# Altium PCB CPU-board-multi-Ethernnet.PcbDoc (part 1 of 3) (continued)
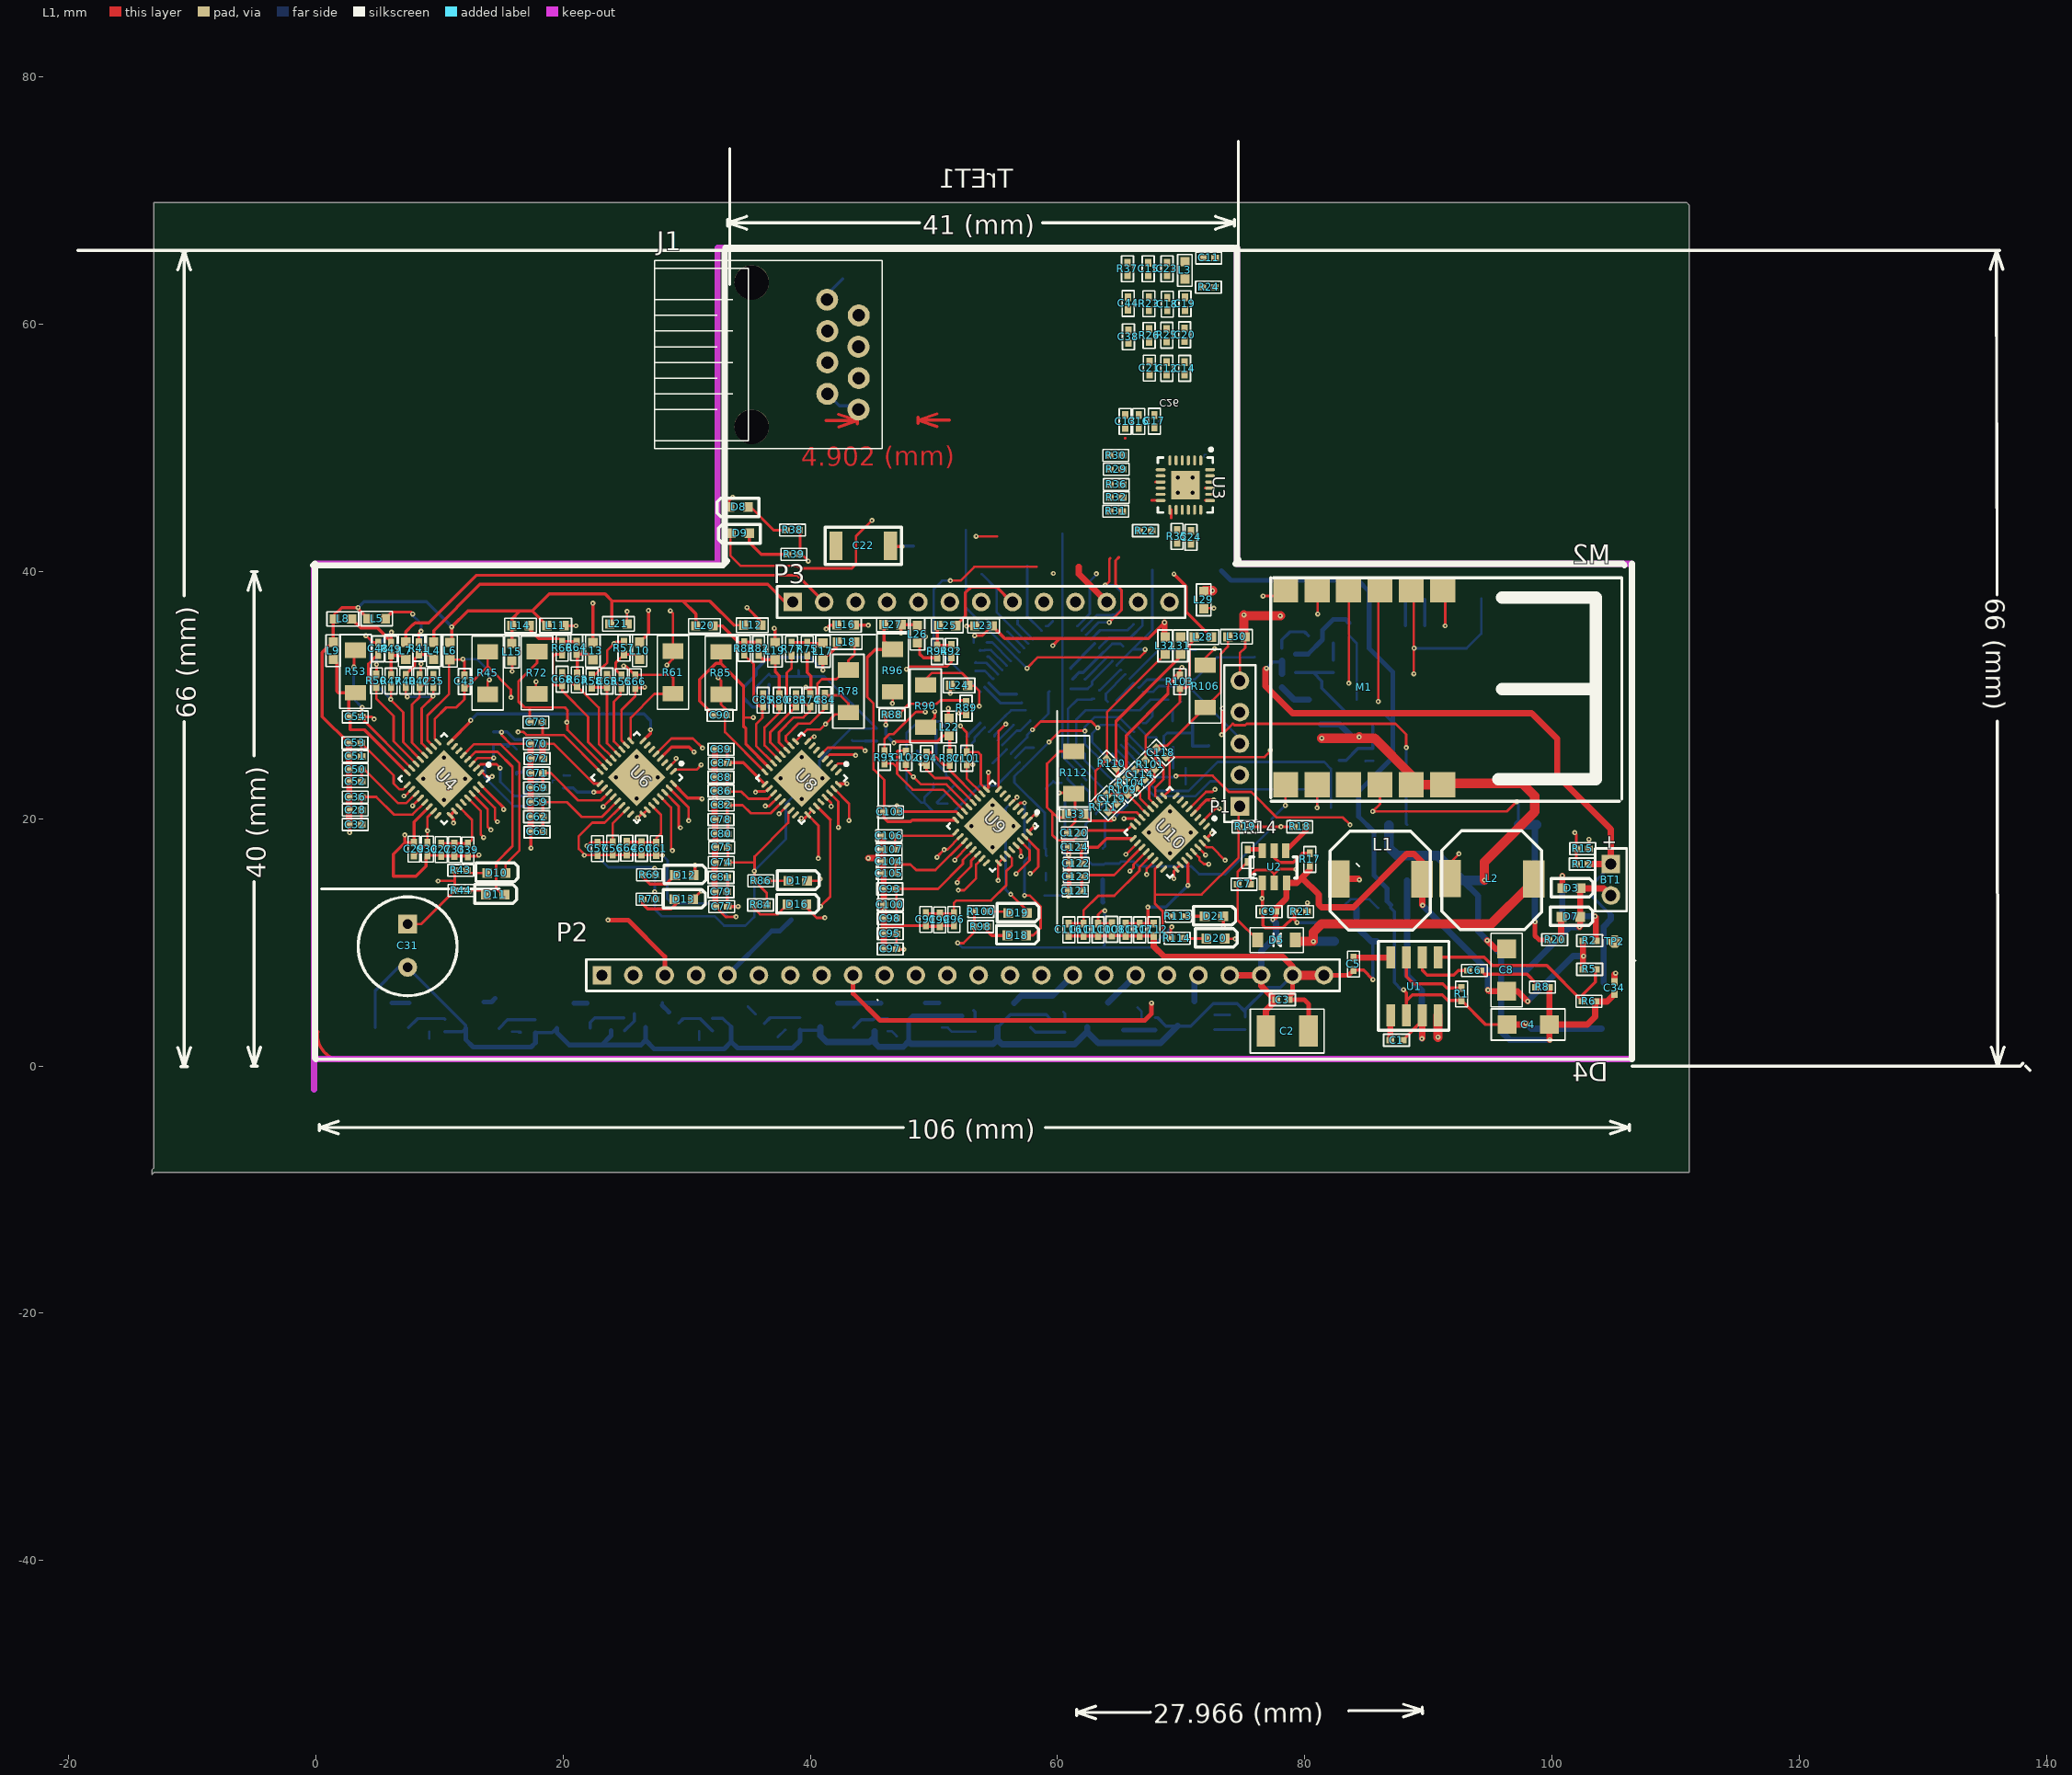
[diagram p0: L1 view]
## Components (designator, comment, footprint, x,y, rotation, side; value= is the part's Value field where it differs from the comment) (continued)
L29 "FeILB" 0603C-TBD#2 71.831,38.405 r270 top
L30 "FeILB" 0603C-TBD#2 75.184,34.722 r180 top
L31 "FeILB" 0603C-TBD#2 69.952,34.696 r270 top
L32 "FeILB" 0603C-TBD#2 68.707,34.696 r270 top
L33 "FeILB" 0603C-TBD#2 62.128,20.371 r180 top
M1 "MRF24J40MA" "MRF24J40MA-zigBEE module" 78.461,38.506 r270 top
M2 "ESP 8266" ESP8266WROOm-02 85.883,19.521 r90 bottom (schematic designator M1)
P1 "Header 5" HDR1X5 74.752,21.006 r90 top
P2 "Header 24" HDR1X24 23.139,7.341 r0 top
P3 "Header 13" HDR1X13 38.583,37.541 r0 top
Q1 "MMBT3906" SOT23-BCE 82.296,36.119 r180 bottom (schematic designator Q4)
Q2 "MMBT2222" MMBT2222 85.522,27.635 r180 bottom
Q3 "MMBT2222" MMBT2222 7.493,3.099 r180 bottom
Q4 "MMBT2222" MMBT2222 14.808,3.048 r180 bottom
Q5 "MMBT2222" MMBT2222 22.178,3.055 r180 bottom
Q6 "MMBT2222" MMBT2222 29.366,3.131 r180 bottom
Q7 "MMBT2222" MMBT2222 36.297,3.175 r180 bottom
Q8 "MMBT2222" MMBT2222 43.51,3.124 r180 bottom
Q9 "MMBT2222" MMBT2222 50.651,3.105 r180 bottom
Q10 "MMBT2222" MMBT2222 57.84,3.105 r180 bottom
Q11 "MMBT2222" MMBT2222 65.104,3.131 r180 bottom
Q12 "MMBT2222" MMBT2222 72.419,3.232 r180 bottom
R1 "100K" 0402R-TBD 92.685,6.325 r270 top
R2 "150R" 0402R-TBD 102.54,10.135 r0 top
R3 "100K" 0402R-TBD 85.954,12.776 r0 bottom
R4 "47R" 0402R-TBD 82.296,32.842 r270 bottom
R5 "52.3K" 0402R-TBD 102.54,7.823 r0 top
R6 "10K" 0402R-TBD 103.505,5.232 r180 top
R7 "27K" 0402R-TBD 84.201,12.776 r180 bottom
R8 "10K" 0402R-TBD 99.746,6.375 r180 top
R9 "1K" 0402R-TBD 83.591,34.823 r90 bottom
R10 "10R" 0402R-TBD 78.156,32.791 r90 bottom
R11 "10R" 0402R-TBD 78.156,30.709 r90 bottom
R12 "57.6K" 0402R-TBD 101.956,16.332 r0 top
R13 "10K" 0402R-TBD 85.522,25.705 r270 bottom
R14 "0/125W" 0402C-GENERIC 75.387,16.51 r90 top
R15 "27K" 0402R-TBD 102.997,17.577 r180 top
R16 "Comment" 0402C-GENERIC 82.804,24.74 r90 bottom
R17 "10K" 0402R-TBD 80.416,17.221 r270 top
R18 "75K/1%/.125W" 0402C-TBD 79.096,19.355 r0 top
R19 "40.2K/1%/.125W" 0402R-TBD 74.651,19.355 r0 top
R20 "47" 0402R-TBD 99.72,10.211 r0 top
R21 "13K" 0402R-TBD 79.172,12.497 r0 top
R22 "1.5K" 0402R-TBD 67.615,43.307 r180 top
R23 "49.9" 0402R-TBD 67.386,61.163 r90 top
R24 "49.9" 0402R-TBD 72.72,63.017 r180 top
R25 "49.9" 0402R-TBD 68.834,59.639 r270 top
R26 "49.9" 0402R-TBD 67.412,58.598 r90 top
R27 "75/1%/.125W" 0402R-TBD 45.339,58.268 r0 bottom
R28 "75/1%/.125W" 0402R-TBD 46.66,62.027 r180 bottom
R29 "100" 0402R-TBD 65.253,48.285 r180 top
R30 "100" 0402R-TBD 65.227,49.403 r180 top
R31 "100" 0402R-TBD 65.227,44.882 r180 top
R32 "100" 0402R-TBD 65.253,45.999 r180 top
R33 "75/1%/.125W" 0402R-TBD 45.466,55.601 r0 bottom
R34 "75/1%/.125W" 0402R-TBD 45.39,53.086 r0 bottom
R35 "33" 0402R-TBD 69.672,42.342 r90 top
R36 "4.7k" 0402R-TBD 64.237,47.041 r0 top
R37 "12.1k" 0402R-TBD 65.659,64.999 r270 top
R38 "47" 0402R-TBD 38.049,43.358 r0 top
R39 "47" 0402R-TBD 38.151,41.402 r0 top
R40 "220R" 0402R-TBD 7.264,30.632 r90 top
R41 "18.7" 0402R-TBD 8.331,34.29 r270 top
R42 "220R" 0402R-TBD 8.382,30.632 r90 top
R43 "220" 0402C-TBD 12.217,15.824 r180 top
R44 "220" 0402C-TBD 12.243,14.199 r180 top
R45 "470/1%/.250W" 1206FB-GENERIC 13.894,33.503 r270 top
R46 "1M" 0402R-TBD 47.777,23.749 r90 bottom
R47 "220R" 0402R-TBD 6.071,30.632 r90 top
R48 "470" 0402R-TBD 9.22,2.819 r90 bottom
R49 "18.7" 0402R-TBD 6.071,34.239 r270 top
R50 "220R" 0402R-TBD 4.877,30.658 r90 top
R51 "2K" 0402R-TBD 10.414,2.769 r90 bottom
R52 "1M" 0402C-GENERIC 17.018,21.844 r0 bottom
R53 "470/1%/.250W" 1206FB-GENERIC 3.2,33.63 r270 top
R54 "470" 0402R-TBD 16.561,2.718 r90 bottom
R55 "220R" 0402R-TBD 24.714,30.582 r90 top
R56 "2K" 0402R-TBD 17.755,2.692 r90 bottom
R57 "18.7" 0402R-TBD 24.917,34.315 r270 top
R58 "220R" 0402R-TBD 22.327,30.607 r90 top
R59 "10k" 0402R-TBD 36.576,30.302 r180 bottom
R60 "470" 0402R-TBD 24.943,2.845 r90 bottom
R61 "470/1%/.250W" 1206FB-GENERIC 28.88,30.124 r90 top
R62 "2K" 0402R-TBD 23.876,2.87 r90 bottom
R63 "220R" 0402R-TBD 21.133,30.734 r90 top
R64 "18.7" 0402R-TBD 21.082,34.341 r270 top
R65 "470" 0402R-TBD 31.013,2.819 r90 bottom
R66 "220R" 0402R-TBD 19.914,33.299 r90 top
R67 "220" 0402C-TBD 69.342,24.105 r0 bottom
R68 "220" 0402C-TBD 69.977,29.642 r180 bottom
R69 "220" 0402C-TBD 27.483,15.469 r180 top
R70 "220" 0402C-TBD 27.457,13.487 r180 top
R71 "2K" 0402R-TBD 32.08,3.861 r270 bottom
R72 "470/1%/.250W" 1206FB-GENERIC 17.882,33.528 r270 top
R73 "470" 0402R-TBD 37.973,2.921 r90 bottom
R74 "220R" 0402R-TBD 39.98,29.083 r90 top
R75 "18.7" 0402R-TBD 39.751,34.239 r270 top
R76 "2K" 0402R-TBD 39.167,2.896 r90 bottom
R77 "220R" 0402R-TBD 38.481,33.223 r90 top
R78 "470/1%/.250W" 1206FB-GENERIC 43.078,28.6 r90 top
R79 "470" 0402R-TBD 46.253,2.819 r90 bottom
R80 "220R" 0402R-TBD 37.49,29.083 r90 top
R81 "2K" 0402R-TBD 45.187,2.819 r90 bottom
R82 "18.7" 0402R-TBD 35.814,34.265 r270 top
R83 "220R" 0402R-TBD 34.646,33.274 r90 top
R84 "220" 0402C-TBD 35.458,13.03 r0 top
R85 "470/1%/.250W" 1206FB-GENERIC 32.766,33.503 r270 top
R86 "220" 0402C-TBD 36.5,14.986 r180 top
R87 "220R" 0402R-TBD 51.283,24.359 r90 top
R88 "18.7" 0402R-TBD 47.117,28.423 r180 top
R89 "220R" 0402R-TBD 52.603,28.448 r90 top
R90 "470/1%/.250W" 1206FB-GENERIC 49.327,27.407 r90 top
R91 "470" 0402R-TBD 53.34,3.785 r270 bottom
R92 "220R" 0402R-TBD 51.41,33.045 r90 top
R93 "2K" 0402R-TBD 52.248,3.785 r270 bottom
R94 "18.7" 0402R-TBD 50.267,33.02 r90 top
R95 "220R" 0402R-TBD 45.999,24.46 r90 top
R96 "470/1%/.250W" 1206FB-GENERIC 46.66,30.277 r90 top
R97 "470" 0402R-TBD 60.604,3.785 r270 bottom
R98 "220R" 0402C-TBD 54.28,11.278 r180 top
R99 "2K" 0402R-TBD 59.436,3.785 r270 bottom
R100 "220R" 0402C-TBD 54.305,12.497 r180 top
R101 "220R" 0402R-TBD 67.843,24.028 r135 top
R102 "470" 0402R-TBD 66.802,3.912 r270 bottom
R103 "18.7" 0402R-TBD 69.901,31.598 r270 top
R104 "220R" 0402R-TBD 66.301,22.548 r135 top
R105 "2K" 0402R-TBD 67.894,3.912 r270 bottom
R106 "470/1%/.250W" 1206FB-GENERIC 71.958,32.436 r270 top
R107 "470" 0402R-TBD 74.117,3.962 r270 bottom
R108 "2K" 0402R-TBD 75.184,3.962 r270 bottom
R109 "220R" 0402R-TBD 65.641,21.989 r135 top
R110 "18.7" 0402R-TBD 64.001,24.823 r315 top
R111 "220R" 0402R-TBD 64.059,20.574 r135 top
R112 "470/1%/.250W" 1206FB-GENERIC 61.316,22.022 r90 top
R113 "220R" 0402C-TBD 70.282,12.116 r180 top
R114 "220 R" 0402C-TBD 70.18,10.338 r180 top
TP2 "TESTPOINT" TESTPOINT 105.004,8.534 r0 top (schematic designator TP8)
TrET1 "HX1224NL" HX1224-NL 62.611,64.16 r270 bottom
U1 "MP2403" MP2403 86.97,4.089 r0 top
U2 "MP1470" MP1470 76.571,14.808 r0 top
U3 "LAN8720" QFN24_4X4_N 70.338,46.997 r270 top
U4 "STPM34" 32M1-A_L 10.363,23.241 r225 top
U5 "PIC32MX795" TQFP-PT64_N 60.325,29.007 r225 bottom
U6 "STPM34" 32M1-A_L 25.959,23.343 r225 top
U7 "23LCV1024" SO8_L 61.405,15.672 r180 bottom
U8 "STPM34" 32M1-A_L 39.294,23.292 r225 top
U9 "STPM34" 32M1-A_L 54.737,19.406 r225 top
U10 "STPM34" 32M1-A_L 69.088,18.898 r225 top
Y1 "Comment" CeramicResonator8-16MHZ#1 71.145,49.962 r180 bottom
Y2 "Comment" CeramicResonator8-16MHZ#2 51.662,25.044 r270 bottom
Y3 "Comment" CeramicResonator8-16MHZ#3 18.429,23.622 r180 bottom

## Footprints (in the part's own frame and the unit in brackets; to place one, negate y for a bottom-side part, rotate by r counter-clockwise, add the part's x,y. Pads: shape width x height; smd on the part's side, far side on the other; paste and mask are expansions set on the pad)
32M1-A_L [mm] "32-Pin Quad Flat No-Lead 0.5 mm Pitch, IPC High Density"
  oval 0.7x0.25 smd: 1(-2.45,1.75) 2(-2.45,1.25) 3(-2.45,0.75) 4(-2.45,0.25) 5(-2.45,-0.25) 6(-2.45,-0.75) 7(-2.45,-1.25) 8(-2.45,-1.75) 17(2.45,-1.75) 18(2.45,-1.25) 19(2.45,-0.75) 20(2.45,-0.25) 21(2.45,0.25) 22(2.45,0.75) 23(2.45,1.25) 24(2.45,1.75)
  oval 0.25x0.7 smd: 9(-1.75,-2.45) 10(-1.25,-2.45) 11(-0.75,-2.45) 12(-0.25,-2.45) 13(0.25,-2.45) 14(0.75,-2.45) 15(1.25,-2.45) 16(1.75,-2.45) 25(1.75,2.45) 26(1.25,2.45) 27(0.75,2.45) 28(0.25,2.45) 29(-0.25,2.45) 30(-0.75,2.45) 31(-1.25,2.45) 32(-1.75,2.45)
  rect 3.3x3.3 smd: 33(0,0)
  silkscreen extent -3.47,-2.6 2.6,2.6, body extent -2.58,-2.58 2.58,2.58, height 1
0402 [mm] "Chip Capacitor, Body 1.0x0.5mm, IPC High Density"
  rect 0.6x0.5 smd: 1(-0.5,0) 2(0.5,0)
  body extent -0.55,-0.3 0.55,0.3, height 1.3
0402C-GENERIC [mil]
  rect 25x20 smd: 1(0,0) 2(40,0)
  silkscreen extent -21,-19 61,19
0402C-TBD [mil]
  rect 25x20 smd: 1(0,0) 2(40,0)
  silkscreen extent -21,-19 61,19, body extent 2,-9 39,9, height 19
0402R-TBD [mil]
  rect 25x20 smd: 1(0,0) 2(40,0)
  silkscreen extent -21,-19 61,19, body extent -6,-10 46,10, height 14
470uF/6.3v [mil]
  rect 60x60 hole 30: 1(0,0)
  round 60 hole 30: 2(137.8,0)
  silkscreen extent -87,-157 228,157
0603C-2U2 [mil] "CAPACITOR 0603"
  rect 30x30 smd: 1(0,0) 2(55,0)
  silkscreen extent -23,-23 78,23, body extent -4,-15 59,15, height 19
0603C-TBD#1 [mm] "CAPACITOR 0603 TBD"
  rect 0.8x0.8 smd: 1(0,0) 2(1.5,0)
  silkscreen extent -0.9,-0.7 2.5,0.8
0603C-TBD#2 [mm] "CAPACITOR 0603 TBD"
  rect 0.762x0.762 smd: 1(0,0) 2(1.397,0)
  silkscreen extent -0.58,-0.58 1.98,0.58, body extent -0.1,-0.38 1.5,0.38, height 0.48
1206C-GENERIC [mil]
  rect 60x60 smd: 1(0,0) 2(135,0)
  silkscreen extent -50,-50 185,50, body extent -8,-29 147,29, height 46
1206FB-GENERIC [mm] "FERRITE BEAD 1206"
  rect 1.25x1.7 smd: 1(0,0) 2(3.429,0)
  silkscreen extent -1.27,-1.27 4.7,1.27, body extent 0.11,-0.81 3.31,0.8, height 1.55
1210C-GENERIC [mil]
  rect 60x100 smd: 1(0,0) 2(135,0)
  silkscreen extent -50,-70 185,70, body extent -10,-50 145,50, height 46
1808 [mm]
  rect 1.05x2.3 smd: 1(0,0) 2(4.4,0)
  silkscreen extent -0.9,-1.5 5.28,1.5
BAT-2 [mm] "Battery; 2 Leads"
  rect 1.5x1.5 hole 0.9: 1(-1.27,0)
  round 1.5 hole 0.9: 2(1.27,0)
  silkscreen extent -2.54,-1.27 2.54,1.27
CeramicResonator8-16MHZ#1 [mm]
  rect 1.4x1.2 smd: 1(0,0) 2(2.2,0) 3(2.2,1.7) 4(0,1.7)
  L1 lines w0.127: 3,2.2 2.8,2.2 2.8,2.4 ; -0.9,-0.5 -0.7,-0.5 -0.7,-0.7 ; -0.7,-0.7 -0.7,-0.7
  silkscreen extent -1.1,-1.1 3.4,2.7
CeramicResonator8-16MHZ#2 [mm]
  rect 1.4x1.2 smd: 1(0,0) 2(2.2,0) 3(2.2,1.7) 4(0,1.7)
  L1 lines w0.127: -0.9,-0.5 -0.7,-0.5 -0.7,-0.7 ; -0.7,-0.7 -0.7,-0.7
  silkscreen extent -1.1,-1.1 3.4,2.7
CeramicResonator8-16MHZ#3 [mm]
  rect 1.4x1.2 smd: 1(0,0) 2(2.2,0) 3(2.2,1.7) 4(0,1.7)
  L1 lines w0.127: 3,2.2 2.8,2.2 2.8,2.388 2.8,2.4 ; -0.9,-0.5 -0.7,-0.5 -0.7,-0.7 ; -0.7,-0.7 -0.7,-0.7
  silkscreen extent -1.1,-1.1 3.4,2.7
DO214AA [mm]
  rect 2x2.5 smd: A(-0.875,0) K(-4.425,0)
  silkscreen extent -5.65,-1.58 0.35,1.55, body extent -5.2,-1.3 0,1.3, height 2.4
ESP8266WROOm-02 [mm]
  rect 2.5x0.92 smd: 1(0,12.9) 2(0,11.4) 3(0,9.9) 4(0,8.4) 5(0,6.9) 6(0,5.4) 7(0,3.9) 8(0,2.4) 9(0,0.9) 10(18.3,0.9) 11(18.3,2.4) 12(18.3,3.9) 13(18.3,5.4) 14(18.3,6.9) 15(18.3,8.4) 16(18.3,9.9) 17(18.3,11.4) 18(18.3,12.9)
  silkscreen extent -2.2,0 20.5,20.25
HDR1X5 [mm] "Connector; Header; 5 Position"
  rect 1.5x1.5 hole 0.9: 1(0,0)
  round 1.5 hole 0.9: 2(2.54,0) 3(5.08,0) 4(7.62,0) 5(10.16,0)
  silkscreen extent -1.27,-1.27 11.43,1.27
HDR1X13 [mm] "Connector; Header; 13 Position"
  rect 1.5x1.5 hole 0.9: 1(0,0)
  round 1.5 hole 0.9: 2(2.54,0) 3(5.08,0) 4(7.62,0) 5(10.16,0) 6(12.7,0) 7(15.24,0) 8(17.78,0) 9(20.32,0) 10(22.86,0) 11(25.4,0) 12(27.94,0) 13(30.48,0)
  silkscreen extent -1.27,-1.27 31.75,1.27
HDR1X24 [mm] "Connector; Header; 24 Position"
  rect 1.5x1.5 hole 0.9: 1(0,0)
  round 1.5 hole 0.9: 2(2.54,0) 3(5.08,0) 4(7.62,0) 5(10.16,0) 6(12.7,0) 7(15.24,0) 8(17.78,0) 9(20.32,0) 10(22.86,0) 11(25.4,0) 12(27.94,0) 13(30.48,0) 14(33.02,0) 15(35.56,0) 16(38.1,0) 17(40.64,0) 18(43.18,0) 19(45.72,0) 20(48.26,0) 21(50.8,0) 22(53.34,0) 23(55.88,0) 24(58.42,0)
  silkscreen extent -1.27,-1.27 59.69,1.27
HX1224-NL [mil] "Pulse trans"
  rect 40x75 smd: 1(0,0) 2(80,0) 3(160,0) 4(280,0) 5(360,0) 6(440,0) 7(440,545) 8(360,545) 9(280,545) 10(160,545) 11(80,545) 12(0,545)
  silkscreen extent -55,-71 488,602
LED-SM [mm]
  rect 0.8x0.8 smd: 1(0,0) 2(1.5,0)
  silkscreen extent -0.9,-0.7 2.5,0.8
MMBT2222 [mm]
  rect 0.8x0.9 smd: B(0,0) C(1.35,2) E(2.7,0)
  silkscreen extent -1,-0.8 3.7,2.8
MP1470 [mm] "Power  Supply IC"
  rect 0.6x1.2 smd: 1(0,0) 2(0.95,0) 3(1.95,0) 4(1.9,2.6) 5(0.95,2.6) 6(0,2.6)
  silkscreen extent -1,0.4 2.8,2.1
MP2403 [mil]
  rect 28x70 smd: 1(0,0) 2(50,0) 3(100,0) 4(150,0) 5(150,185) 6(100,185) 7(50,185) 8(0,185)
  rect 0x0 smd: 4(70.87,94.49)
  round 0 all layers, no hole: 10(3.94,74.8) 11(47.24,74.8) 12(94.49,74.8) 14(137.8,118.11) 15(94.49,118.11) 16(47.24,118.11) 17(3.94,118.11)
  oval 0x8 all layers, no hole: 13(137.8,74.8)
  silkscreen extent -39,-47 185,236
"MRF24J40MA-zigBEE module" [mil]
  rect 80x80 smd: 1(0,500) 2(0,400) 3(0,300) 4(0,200) 5(0,100) 6(0,0) 7(620,0) 8(620,100) 9(620,200) 10(620,300) 11(620,400) 12(620,500)
  silkscreen extent -39,-47 673,1071
"Murata 15uH inductor" [mm]
  rect 1.75x3 smd: 1(0,0.025) 2(6.75,0)
  silkscreen extent -0.7,-4.1 7.4,3.9
QFN24_4X4_N [mm] "QFN, 24-Leads, Body 4x4mm, Pitch 0.5mm, IPC Medium Density"
  oval 0.8x0.25 smd: 1(-2,1.25) 2(-2,0.75) 3(-2,0.25) 4(-2,-0.25) 5(-2,-0.75) 6(-2,-1.25) 13(2,-1.25) 14(2,-0.75) 15(2,-0.25) 16(2,0.25) 17(2,0.75) 18(2,1.25)
  oval 0.25x0.8 smd: 7(-1.25,-2) 8(-0.75,-2) 9(-0.25,-2) 10(0.25,-2) 11(0.75,-2) 12(1.25,-2) 19(1.25,2) 20(0.75,2) 21(0.25,2) 22(-0.25,2) 23(-0.75,2) 24(-1.25,2)
  rect 2.3x2.3 smd: 25(0,0)
  silkscreen extent -3,-2.22 2.22,2.22, body extent -2.07,-2.07 2.07,2.07, height 1
RJ45-8/8 [mil]
  round 70 hole 40: 1(-100,350) 2(1,300) 3(-99,250) 4(0,200) 5(-99,150) 6(1,100) 7(-99,50) 8(0,0)
  round 110 hole 110 unplated: A(-340,-55) B(-340,405)
  silkscreen extent -650,-125 75,475
SMB [mm] "DO-214-AA/SMB; 2 C-Bend Leads; Body 5.3 x 3.6 mm, inc. leads (LxW)"
  rect 2.3x2.3 smd: 1(-2.25,0) 2(2.25,0)
  silkscreen extent -3.8,-1.55 4.1,1.55
SO8_L [mm] "SOIC, 8-Leads, Body 4.9x3.9mm, Pitch 1.27mm, IPC High Density"
  oval 1.9x0.6 smd: 1(-2.35,1.905) 2(-2.35,0.635) 3(-2.35,-0.635) 4(-2.35,-1.905) 5(2.35,-1.905) 6(2.35,-0.635) 7(2.35,0.635) 8(2.35,1.905)
  silkscreen extent -2.48,-2.5 1,2.88, body extent -2,-2.5 2,2.5, height 1.75
SOD-123 [mm]
  rect 0.9x1.2 smd: A(3.048,0) K(0,0)
  silkscreen extent -0.64,-1.02 3.68,1.02, body extent -0.18,-0.87 3.3,0.87, height 0.79
SOT23-BCE [mil]
  rect 36x36 smd: B(0,0) E(0,-75)
  rect 50x36 smd: C(80,-38)
  silkscreen extent -25,-100 110,25, body extent -3,-95 94,20, height 41
SOT23-DIODE [mm] "SOT23 WITH A/K PIN NUMBERS"
  rect 0.9x0.7 smd: A(0,0) K(2.032,-0.965) NC(0,-1.9)
  silkscreen extent -0.63,-2.54 2.8,0.64, body extent -0.1,-2.41 2.34,0.51, height 1.33
TESTPOINT [mm]
  oct 1x1 smd: 1(0.076,1.549)
  silkscreen extent 1.27,0 1.78,0, body extent -1.37,-1.32 1.37,1.32, height 6.45
TQFP-PT64_N [mm] "Thin QFP, 64-Leads, Body 10x10mm, Pitch 0.5mm, IPC Medium Density"
  oval 1.8x0.3 smd: 1(-5.55,3.75) 2(-5.55,3.25) 3(-5.55,2.75) 4(-5.55,2.25) 5(-5.55,1.75) 6(-5.55,1.25) 7(-5.55,0.75) 8(-5.55,0.25) 9(-5.55,-0.25) 10(-5.55,-0.75) 11(-5.55,-1.25) 12(-5.55,-1.75) 13(-5.55,-2.25) 14(-5.55,-2.75) 15(-5.55,-3.25) 16(-5.55,-3.75) 33(5.55,-3.75) 34(5.55,-3.25) 35(5.55,-2.75) 36(5.55,-2.25) 37(5.55,-1.75) 38(5.55,-1.25) 39(5.55,-0.75) 40(5.55,-0.25) 41(5.55,0.25) 42(5.55,0.75) 43(5.55,1.25) 44(5.55,1.75) 45(5.55,2.25) 46(5.55,2.75) 47(5.55,3.25) 48(5.55,3.75)
  oval 0.3x1.8 smd: 17(-3.75,-5.55) 18(-3.25,-5.55) 19(-2.75,-5.55) 20(-2.25,-5.55) 21(-1.75,-5.55) 22(-1.25,-5.55) 23(-0.75,-5.55) 24(-0.25,-5.55) 25(0.25,-5.55) 26(0.75,-5.55) 27(1.25,-5.55) 28(1.75,-5.55) 29(2.25,-5.55) 30(2.75,-5.55) 31(3.25,-5.55) 32(3.75,-5.55) 49(3.75,5.55) 50(3.25,5.55) 51(2.75,5.55) 52(2.25,5.55) 53(1.75,5.55) 54(1.25,5.55) 55(0.75,5.55) 56(0.25,5.55) 57(-0.25,5.55) 58(-0.75,5.55) 59(-1.25,5.55) 60(-1.75,5.55) 61(-2.25,5.55) 62(-2.75,5.55) 63(-3.25,5.55) 64(-3.75,5.55)
  silkscreen extent -5.67,-4.25 4.25,4.57, body extent -5,-5 5,5, height 1.2

## Part data
BT1: library part Battery, "Multicell Battery"
C1 C2 C3 C4 C5 C6 C7 C8 C9 C10 C11 C12 C13 C14 C15 C16 C24 C28 C34 C37 C39 C40 C41 C44 C45 C46 C59 C64 C78 C81 C93 C99 C111 C117: library part Cap, "Capacitor"
C17 C18 C19 C20 C21 C23 C25 C26 C27 C29 C30 C32 C33 C35 C36 C42 C43 C47 C48 C49 C50 C51 C52 C53 C54 C55 C56 C57 C60 C61 C62 C63 C65 C66 C67 C68 C69 C70 C71 C72 C73 C74 C75 C77 C79 C80 C82 C83 C84 C85 C86 C87 C88 C89 C90 C91 C94 C95 C96 C97 C98 C100 C101 C102 C103 C104 C105 C106 C107 C108 C110 C112 C113 C114 C116 C118 C119 C120 C121 C122 C123 C124: library part 0805C-18PF-50V-C0G-JOH, "CAPACITOR 0805 CERAMIC"
C22: library part 0805C-18PF-50V-C0G-JOH, "CAPACITOR 1808CERAMIC"
C31: "Polarized Capacitor (Surface Mount)"
D1: library part "D Schottky", "Schottky Diode"
D2 D3 D7 D8 D9: library part LED2, "Typical RED, GREEN, YELLOW, AMBER GaAs LED"
D5: library part 1N4001, "1N4001"
D6: library part "D Zener", "Zener Diode"
D10 D11 D12 D13 D14 D15 D16 D17 D18 D19 D20 D21: "Typical RED, GREEN, YELLOW, AMBER GaAs LED"
J1: "GENERIC RJ45 CONNECTOR 8 PIN"
L1 L2: library part Inductor, "Inductor"
L3: library part 1U-1239AS-TOKO, "1239AS-H-1R0N"
L4 L5 L6 L7 L8 L9 L10 L11 L12 L13 L14 L15 L16 L17 L18 L19 L20 L21 L22 L23 L24 L25 L26 L27 L28 L29 L30 L31 L32 L33: library part FerrBeads/ILBB
P1: "Header, 5-Pin"
P2: "Header, 24-Pin"
P3: "Header, 13-Pin"
Q1: library part PNP-GENERIC, "GENERIC PNP BIPOLAR TRANSISTOR"
Q2 Q3 Q4 Q5 Q6 Q7 Q8 Q9 Q10 Q11 Q12: "BC847 SMALL SIGNAL NPN TRANSISTOR"
R1 R2 R3 R4 R5 R6 R7 R8 R9 R10 R11 R12 R13 R14 R15 R17 R18 R19 R20 R21 R22 R23 R24 R25 R26 R27 R28 R29 R30 R31 R32 R33 R34 R35 R36 R37 R38 R39 R40 R41 R42 R43 R44 R45 R46 R47 R48 R49 R50 R51 R52 R53 R54 R55 R56 R57 R58 R59 R60 R61 R62 R63 R64 R65 R66 R67 R68 R69 R70 R71 R72 R73 R74 R75 R76 R77 R78 R79 R80 R81 R82 R83 R84 R85 R86 R87 R88 R89 R90 R91 R92 R93 R94 R95 R96 R97 R98 R99 R100 R101 R102 R103 R104 R105 R106 R107 R108 R109 R110 R111 R112 R113 R114: library part Res3, "Resistor"
TP2: "TESTPOINT SCOPE GRABBER"
TrET1: library part hx1224nl
U5: library part PIC32MX534F064F

## Via types
v1: diameter 0.406, hole 0.152, L1 to L4, 80 vias
v2: diameter 0.406, hole 0.152, L1 to L2, 56 vias
v3: diameter 0.406, hole 0.152, L1 to L3, 50 vias
v4: diameter 0.406, hole 0.152, L1 to L1-2, 48 vias
v5: diameter 0.406, hole 0.152, L3 to L4, 34 vias
v6: diameter 0.406, hole 0.152, L2 to L4, 29 vias
v7: diameter 0.66, hole 0.33, L1 to L4, tented top, 24 vias
v8: diameter 0.45, hole 0.2, L2 to L3, 21 vias
v9: diameter 0.406, hole 0.152, L1-2 to L4, 16 vias
v10: diameter 0.45, hole 0.2, L1-2 to L3, 4 vias
v11: diameter 0.406, hole 0.152, L1-2 to L2, 3 vias

## Nets (pads, with @x,y where several pads share a name; then routed paths per layer and width w, separated by ;. In a path a pad name is that pad's centre, name@x,y a point inside that pad or via, vN(x,y) a via of type N, cw(c..) or ccw(c..) an arc to the next point about the centre after c; other vN are vias at no path point)
CHASSISGND: C22.2